# KiCad board k410t-devboard.kicad_pcb (continued)
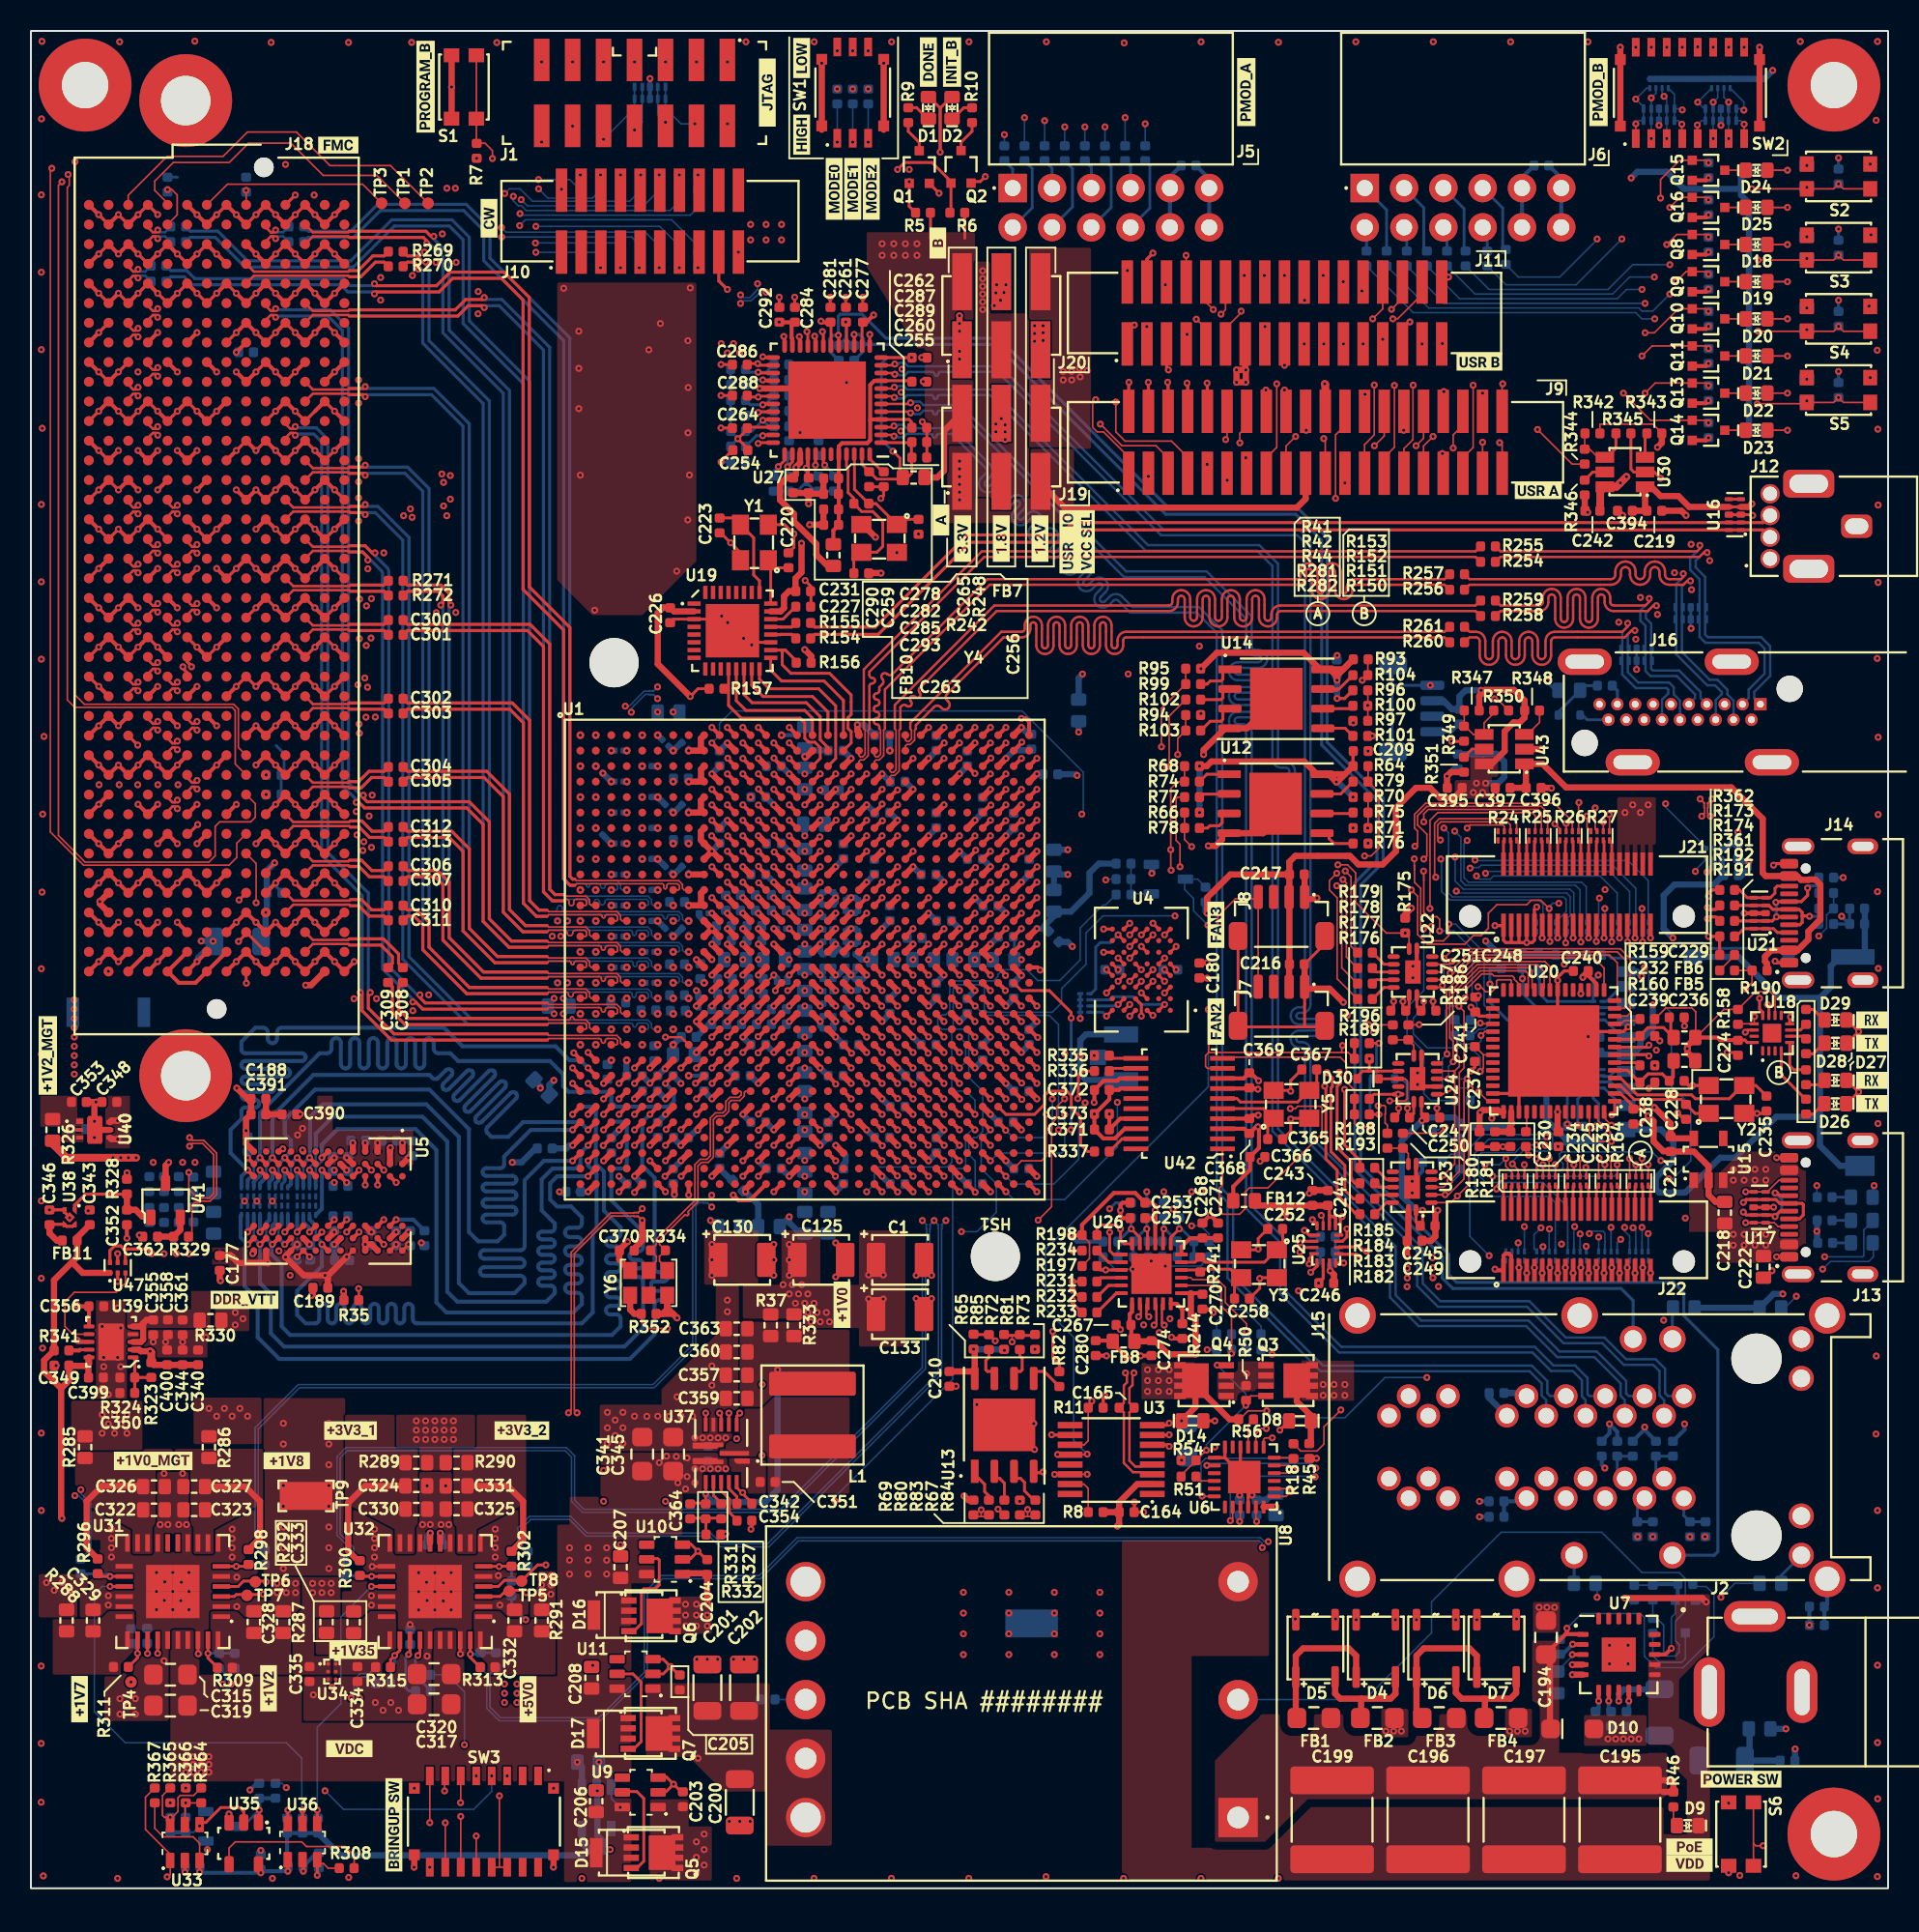
[diagram p0: board, top side]
## Nets (continued)
/DRAM + SRAM/SRAM.DQ6: U1.R28 U4.E5
/DRAM + SRAM/SRAM.DQ7: U1.R29 U4.F6
/DRAM + SRAM/SRAM.~{CE}: R36.3 U1.V27 U4.B5
/DRAM + SRAM/SRAM.~{OE}: R36.2 U1.P26 U4.A2
/DRAM + SRAM/SRAM.~{WE}: R36.1 U1.W22 U4.G5
/FMC+ HSPC/FMC.CLK_DIR: J18.B01 U1.J19
/FMC+ HSPC/FMC.IO0: J18.G33 U1.G12
/FMC+ HSPC/FMC.IO1_N: J18.G22 U1.K16
/FMC+ HSPC/FMC.IO1_P: J18.G21 U1.L16
/FMC+ HSPC/FMC.IO2_N: J18.G19 U1.K15
/FMC+ HSPC/FMC.IO2_P: J18.G18 U1.L15
/FMC+ HSPC/FMC.IO3_N: J18.H20 U1.L13
/FMC+ HSPC/FMC.IO3_P: J18.H19 U1.L12
/FMC+ HSPC/FMC.IO4_N: J18.H17 U1.J13
/FMC+ HSPC/FMC.IO4_P: J18.H16 U1.K13
/FMC+ HSPC/FMC.IO5_N: J18.J19 U1.J14
/FMC+ HSPC/FMC.IO5_P: J18.J18 U1.K14
/FMC+ HSPC/FMC.IO6_N: J18.G25 U1.K11
/FMC+ HSPC/FMC.IO6_P: J18.G24 U1.L11
/FMC+ HSPC/FMC.IO7_N: J18.H29 U1.G15
/FMC+ HSPC/FMC.IO7_P: J18.H28 U1.H15
/FMC+ HSPC/FMC.IO8_N: J18.G28 U1.J12
/FMC+ HSPC/FMC.IO8_P: J18.G27 U1.J11
/FMC+ HSPC/FMC.IO9_N: J18.G31 U1.H16
/FMC+ HSPC/FMC.IO9_P: J18.G30 U1.J16
/FMC+ HSPC/FMC.IO10_N: J18.H26 U1.H12
/FMC+ HSPC/FMC.IO10_P: J18.H25 U1.H11
/FMC+ HSPC/FMC.IO11_N: J18.K23 U1.G14
/FMC+ HSPC/FMC.IO11_P: J18.K22 U1.H14
/FMC+ HSPC/FMC.IO12_N: J18.J22 U1.F13
/FMC+ HSPC/FMC.IO12_P: J18.J21 U1.G13
/FMC+ HSPC/FMC.IO13_N: J18.K20 U1.D13
/FMC+ HSPC/FMC.IO13_P: J18.K19 U1.D12
/FMC+ HSPC/FMC.IO14_N: J18.J25 U1.E13
/FMC+ HSPC/FMC.IO14_P: J18.J24 U1.F12
/FMC+ HSPC/FMC.IO15_N: J18.J07 U1.B12
/FMC+ HSPC/FMC.IO15_P: J18.J06 U1.C12
/FMC+ HSPC/FMC.IO16_N: J18.K08 U1.E11
/FMC+ HSPC/FMC.IO16_P: J18.K07 U1.F11
/FMC+ HSPC/FMC.IO17_N: J18.K17 U1.A12
/FMC+ HSPC/FMC.IO17_P: J18.K16 U1.A11
/FMC+ HSPC/FMC.IO18_N: J18.J10 U1.C11
/FMC+ HSPC/FMC.IO18_P: J18.J09 U1.D11
/FMC+ HSPC/FMC.IO19_N: J18.H23 U1.E16
/FMC+ HSPC/FMC.IO19_P: J18.H22 U1.F15
/FMC+ HSPC/FMC.IO20_N: J18.K26 U1.E15
/FMC+ HSPC/FMC.IO20_P: J18.K25 U1.E14
/FMC+ HSPC/FMC.IO21_N: J18.K11 U1.C14
/FMC+ HSPC/FMC.IO21_P: J18.K10 U1.D14
/FMC+ HSPC/FMC.IO22_N: J18.H32 U1.A13
/FMC+ HSPC/FMC.IO22_P: J18.H31 U1.B13
/FMC+ HSPC/FMC.IO23_N: J18.J13 U1.B15
/FMC+ HSPC/FMC.IO23_P: J18.J12 U1.C15
/FMC+ HSPC/FMC.IO24_N: J18.J28 U1.A15
/FMC+ HSPC/FMC.IO24_P: J18.J27 U1.B14
/FMC+ HSPC/FMC.IO25: J18.K28 U1.F16
/FMC+ HSPC/FMC.PRSNT_M2C: J18.H02 R264.1 U1.H19
/FMC+ HSPC/FMC.~{PERST}: J18.D08 R265.1 U1.G19
/FMC+ HSPC/GTR_REFCLK0_R_N: J18.D05 R270.1
/FMC+ HSPC/GTR_REFCLK0_R_P: J18.D04 R269.1
/FMC+ HSPC/GTR_REFCLK1_R_N: J18.B21 R272.1
/FMC+ HSPC/GTR_REFCLK1_R_P: J18.B20 R271.1
/FMC+ HSPC/GTR_REFCLK2_R_N: J18.K05 R274.1
/FMC+ HSPC/GTR_REFCLK2_R_P: J18.K04 R273.1
/FMC+ HSPC/GTR_REFCLK3_R_N: J18.J03 R276.1
/FMC+ HSPC/GTR_REFCLK3_R_P: J18.J02 R275.1
/FMC+ HSPC/GTX115.REFCLK0_N: R270.2 U1.R7
/FMC+ HSPC/GTX115.REFCLK0_P: R269.2 U1.R8
/FMC+ HSPC/GTX115.REFCLK1_N: R272.2 U1.U7
/FMC+ HSPC/GTX115.REFCLK1_P: R271.2 U1.U8
/FMC+ HSPC/GTX115.RX0_N: J18.B13 U1.AA3
/FMC+ HSPC/GTX115.RX0_P: J18.B12 U1.AA4
/FMC+ HSPC/GTX115.RX1_N: J18.B17 U1.Y5
/FMC+ HSPC/GTX115.RX1_P: J18.B16 U1.Y6
/FMC+ HSPC/GTX115.RX2_N: J18.A19 U1.W3
/FMC+ HSPC/GTX115.RX2_P: J18.A18 U1.W4
/FMC+ HSPC/GTX115.RX3_N: J18.A15 U1.V5
/FMC+ HSPC/GTX115.RX3_P: J18.A14 U1.V6
/FMC+ HSPC/GTX115.TX0_N: C313.1 U1.T1
/FMC+ HSPC/GTX115.TX0_P: C312.1 U1.T2
/FMC+ HSPC/GTX115.TX1_N: C311.1 U1.V1
/FMC+ HSPC/GTX115.TX1_P: C310.1 U1.V2
/FMC+ HSPC/GTX115.TX2_N: C309.1 U1.Y1
/FMC+ HSPC/GTX115.TX2_P: C308.1 U1.Y2
/FMC+ HSPC/GTX115.TX3_N: C307.1 U1.U3
/FMC+ HSPC/GTX115.TX3_P: C306.1 U1.U4
/FMC+ HSPC/GTX116.REFCLK0_N: R274.2 U1.L7
/FMC+ HSPC/GTX116.REFCLK0_P: R273.2 U1.L8
/FMC+ HSPC/GTX116.REFCLK1_N: R276.2 U1.N7
/FMC+ HSPC/GTX116.REFCLK1_P: R275.2 U1.N8
/FMC+ HSPC/GTX116.RX0_N: J18.A11 U1.T5
/FMC+ HSPC/GTX116.RX0_P: J18.A10 U1.T6
/FMC+ HSPC/GTX116.RX1_N: J18.A07 U1.M5
/FMC+ HSPC/GTX116.RX1_P: J18.A06 U1.M6
/FMC+ HSPC/GTX116.RX2_N: J18.A03 U1.P5
/FMC+ HSPC/GTX116.RX2_P: J18.A02 U1.P6
/FMC+ HSPC/GTX116.RX3_N: J18.C07 U1.R3
/FMC+ HSPC/GTX116.RX3_P: J18.C06 U1.R4
/FMC+ HSPC/GTX116.TX0_N: C305.1 U1.P1
/FMC+ HSPC/GTX116.TX0_P: C304.1 U1.P2
/FMC+ HSPC/GTX116.TX1_N: C303.1 U1.N3
/FMC+ HSPC/GTX116.TX1_P: C302.1 U1.N4
/FMC+ HSPC/GTX116.TX2_N: C301.1 U1.M1
/FMC+ HSPC/GTX116.TX2_P: C300.1 U1.M2
/FMC+ HSPC/GTX116.TX3_N: C299.1 U1.L3
/FMC+ HSPC/GTX116.TX3_P: C298.1 U1.L4
/FMC+ HSPC/GTX_TX0_C_N: C299.2 J18.C03
/FMC+ HSPC/GTX_TX0_C_P: C298.2 J18.C02
/FMC+ HSPC/GTX_TX1_C_N: C301.2 J18.A23
/FMC+ HSPC/GTX_TX1_C_P: C300.2 J18.A22
/FMC+ HSPC/GTX_TX2_C_N: C303.2 J18.A27
/FMC+ HSPC/GTX_TX2_C_P: C302.2 J18.A26
/FMC+ HSPC/GTX_TX3_C_N: C305.2 J18.A31
/FMC+ HSPC/GTX_TX3_C_P: C304.2 J18.A30
/FMC+ HSPC/GTX_TX4_C_N: C307.2 J18.A35
/FMC+ HSPC/GTX_TX4_C_P: C306.2 J18.A34
/FMC+ HSPC/GTX_TX5_C_N: C309.2 J18.A39
/FMC+ HSPC/GTX_TX5_C_P: C308.2 J18.A38
/FMC+ HSPC/GTX_TX6_C_N: C311.2 J18.B37
/FMC+ HSPC/GTX_TX6_C_P: C310.2 J18.B36
/FMC+ HSPC/GTX_TX7_C_N: C313.2 J18.B33
/FMC+ HSPC/GTX_TX7_C_P: C312.2 J18.B32
/FPGA Bank 12 & 13/CW_HEADER.HS1: R142.1 U1.AG25
/FPGA Bank 12 & 13/CW_HEADER.HS2: R143.1 U1.AF22
/FPGA Bank 12 & 13/CW_HEADER.IO1: R144.1 U1.AJ21
/FPGA Bank 12 & 13/CW_HEADER.IO2: R145.1 U1.AH22
/FPGA Bank 12 & 13/CW_HEADER.IO3: R146.1 U1.AH20
/FPGA Bank 12 & 13/CW_HEADER.IO4: R147.1 U1.AG22
/FPGA Bank 12 & 13/CW_HEADER.MISO: R135.2 U1.AF21
/FPGA Bank 12 & 13/CW_HEADER.MOSI: R136.2 U1.AK21
/FPGA Bank 12 & 13/CW_HEADER.RST: R134.2 U1.AE20
/FPGA Bank 12 & 13/CW_HEADER.TPDIC: R138.2 U1.AF20
/FPGA Bank 12 & 13/CW_HEADER.TPDID: R139.2 U1.AG20
/FPGA Bank 12 & 13/CW_HEADER.TSCK: R137.2 U1.AK20
/FPGA Bank 12 & 13/FAN_PWM_CTRL: R105.1 U1.AE26
/FPGA Bank 12 & 13/PMOD_A.IO1: R120.1 U1.AK28
/FPGA Bank 12 & 13/PMOD_A.IO2: R121.1 U1.W27
/FPGA Bank 12 & 13/PMOD_A.IO3: R122.1 U1.AF28
/FPGA Bank 12 & 13/PMOD_A.IO4: R123.1 U1.AJ28
/FPGA Bank 12 & 13/PMOD_A.IO7: R112.2 U1.AA25
/FPGA Bank 12 & 13/PMOD_A.IO8: R113.2 U1.W29
/FPGA Bank 12 & 13/PMOD_A.IO9: R114.2 U1.AD27
/FPGA Bank 12 & 13/PMOD_A.IO10: R115.2 U1.AJ29
/FPGA Bank 12 & 13/PMOD_B.IO1: R124.1 U1.AB30
/FPGA Bank 12 & 13/PMOD_B.IO2: R125.1 U1.AB29
/FPGA Bank 12 & 13/PMOD_B.IO3: R126.1 U1.AC29
/FPGA Bank 12 & 13/PMOD_B.IO4: R127.1 U1.W28
/FPGA Bank 12 & 13/PMOD_B.IO7: R116.2 U1.AD28
/FPGA Bank 12 & 13/PMOD_B.IO8: R117.2 U1.AA27
/FPGA Bank 12 & 13/PMOD_B.IO9: R118.2 U1.AC30
/FPGA Bank 12 & 13/PMOD_B.IO10: R119.2 U1.AB25
/FPGA Bank 12 & 13/UART0.RX: NT16.2 R161.2
/FPGA Bank 12 & 13/UART0.TX: NT18.2 R162.2
/FPGA Bank 12 & 13/UART1.RX: NT15.2 R163.2
/FPGA Bank 12 & 13/UART1.TX: NT17.2 R164.2
/FPGA Bank 12 & 13/USB_HOST.CLK: U1.A16 U19.13
/FPGA Bank 12 & 13/USB_HOST.GPX: U1.A18 U19.17
/FPGA Bank 12 & 13/USB_HOST.INT: R156.1 U1.B18 U19.18
/FPGA Bank 12 & 13/USB_HOST.MISO: U1.A17 U19.15
/FPGA Bank 12 & 13/USB_HOST.MOSI: U1.C17 U19.16
/FPGA Bank 12 & 13/USB_HOST.VBUS_PEN: R344.1 U1.AG27
/FPGA Bank 12 & 13/USB_HOST.~{CS}: U1.B17 U19.14
/FPGA Bank 12 & 13/USB_HOST.~{RESET}: R157.1 U1.C16 U19.12
/FPGA Bank 12 & 13/USB_USER.RCV: U1.AB15 U25.2
/FPGA Bank 12 & 13/USB_USER.SCON: U1.AG15 U25.16
/FPGA Bank 12 & 13/USB_USER.SPD: U1.AF16 U25.8
/FPGA Bank 12 & 13/USB_USER.SUS: R195.1 U1.AH15 U25.5
/FPGA Bank 12 & 13/USB_USER.VBUS_PEN: R349.1 U1.AD29
/FPGA Bank 12 & 13/USB_USER.VDET: R190.1 R191.2 U1.AK26
/FPGA Bank 12 & 13/USB_USER.VM: U1.Y14 U25.4
/FPGA Bank 12 & 13/USB_USER.VMO: U1.AJ17 U25.12
/FPGA Bank 12 & 13/USB_USER.VP: U1.AA15 U25.3
/FPGA Bank 12 & 13/USB_USER.VPO: U1.AH17 U25.11
/FPGA Bank 12 & 13/USB_USER.~{OE}: R194.1 U1.AG14 U25.1
/FPGA Bank 12 & 13/~{PB_CTRL_CLR}: R365.1 U1.AF26
/FPGA Bank 12 & 13/~{PB_CTRL_INT}: R366.1 U1.AF27
/FPGA Bank 14 & 15/CFG_PUDC: R338.2 U1.R23
/FPGA Bank 14 & 15/SYSTEM_FLASH.CLK: NT19.2 R70.1 R71.2 R75.1 U1.B10
/FPGA Bank 14 & 15/SYSTEM_FLASH.DQ0: NT13.1 R76.1 U1.P24
/FPGA Bank 14 & 15/SYSTEM_FLASH.DQ1: NT14.1 R77.1 U1.R25
/FPGA Bank 14 & 15/SYSTEM_FLASH.DQ2: R66.1 R78.1 U1.R19
/FPGA Bank 14 & 15/SYSTEM_FLASH.DQ3: R64.1 R79.1 U1.R24
/FPGA Bank 14 & 15/SYSTEM_FLASH.~{CS}: NT20.1 R68.1 R74.1 U1.U19
/FPGA Bank 16 & 17/GBE_RGMII.GTR_CLK: R203.1 R213.1 U1.D17 U27.35
/FPGA Bank 16 & 17/GBE_RGMII.GTX_CLK: U1.H20 U27.24
/FPGA Bank 16 & 17/GBE_RGMII.MDC: U1.F17 U27.36
/FPGA Bank 16 & 17/GBE_RGMII.MDIO: R240.2 U1.D18 U27.37
/FPGA Bank 16 & 17/GBE_RGMII.REFCLK: R208.1 R218.1 U1.G18 U27.41
/FPGA Bank 16 & 17/GBE_RGMII.RX_DV: R207.1 R217.1 U1.E18 U27.33
/FPGA Bank 16 & 17/GBE_RGMII.RXD0: R202.1 R212.1 U1.G17 U27.32
/FPGA Bank 16 & 17/GBE_RGMII.RXD1: R201.1 R211.1 U1.D16 U27.31
/FPGA Bank 16 & 17/GBE_RGMII.RXD2: R200.1 R210.1 U1.F20 U27.28
/FPGA Bank 16 & 17/GBE_RGMII.RXD3: R199.1 R209.1 U1.E20 U27.27
/FPGA Bank 16 & 17/GBE_RGMII.TX_EN: U1.G20 U27.25
/FPGA Bank 16 & 17/GBE_RGMII.TXD0: U1.C22 U27.19
/FPGA Bank 16 & 17/GBE_RGMII.TXD1: U1.H21 U27.20
/FPGA Bank 16 & 17/GBE_RGMII.TXD2: U1.F21 U27.21
/FPGA Bank 16 & 17/GBE_RGMII.TXD3: U1.E21 U27.22
/FPGA Bank 16 & 17/GBE_RGMII.~{INT}: R206.1 R216.1 U1.F18 U27.38
/FPGA Bank 16 & 17/GBE_RGMII.~{RESET}: R239.2 U1.D19 U27.42
/FPGA Bank 16 & 17/HDMI.CLK_N: R261.1 U1.A22
/FPGA Bank 16 & 17/HDMI.CLK_P: R260.1 U1.B22
/FPGA Bank 16 & 17/HDMI.D0_N: R259.1 U1.C21
/FPGA Bank 16 & 17/HDMI.D0_P: R258.1 U1.D21
/FPGA Bank 16 & 17/HDMI.D1_N: R257.1 U1.B20
/FPGA Bank 16 & 17/HDMI.D1_P: R256.1 U1.C20
/FPGA Bank 16 & 17/HDMI.D2_N: R255.1 U1.B19
/FPGA Bank 16 & 17/HDMI.D2_P: R254.1 U1.C19
/FPGA Bank 16 & 17/USR_FLASH_1.CLK: R96.1 R97.2 R100.1 U1.C30
/FPGA Bank 16 & 17/USR_FLASH_1.DQ0: R101.1 U1.E28
/FPGA Bank 16 & 17/USR_FLASH_1.DQ1: R102.1 U1.H27
/FPGA Bank 16 & 17/USR_FLASH_1.DQ2: R94.1 R103.1 U1.H26
/FPGA Bank 16 & 17/USR_FLASH_1.DQ3: R93.1 R104.1 U1.B29
/FPGA Bank 16 & 17/USR_FLASH_1.~{CS}: R95.1 R99.1 U1.C29
/FPGA Bank 18 & 32/ETH_RMII.MDC: U1.AB18 U26.13
/FPGA Bank 18 & 32/ETH_RMII.MDIO: R198.2 U1.AA18 U26.12
/FPGA Bank 18 & 32/ETH_RMII.REFCLK: R234.1 U1.AC17
/FPGA Bank 18 & 32/ETH_RMII.RX_DV: R235.1 U1.AF18
/FPGA Bank 18 & 32/ETH_RMII.RXD0: R236.1 U1.AC19
/FPGA Bank 18 & 32/ETH_RMII.RXD1: R237.1 U1.AE18
/FPGA Bank 18 & 32/ETH_RMII.RXER: R238.1 U1.Y19
/FPGA Bank 18 & 32/ETH_RMII.TXD0: R232.1 U1.AC15
/FPGA Bank 18 & 32/ETH_RMII.TXD1: R233.1 U1.AD14
/FPGA Bank 18 & 32/ETH_RMII.TXEN: R231.1 U1.AA16
/FPGA Bank 18 & 32/ETH_RMII.~{RESET}: R197.2 U1.AD18 U26.15
/FPGA Bank 33 & 34/DDR_VRN: R339.2 U1.AC6
/FPGA Bank 33 & 34/DDR_VRP: R340.1 U1.AB7
/FPGA Bank 33 & 34/SD_CARD.CLK: R63.1 R89.1 U1.AC11
/FPGA Bank 33 & 34/SD_CARD.CMD: R61.3 R88.1 U1.AC10
/FPGA Bank 33 & 34/SD_CARD.DAT0: R63.3 R90.1 U1.AK14
/FPGA Bank 33 & 34/SD_CARD.DAT1: R63.4 R91.1 U1.AF11
/FPGA Bank 33 & 34/SD_CARD.DAT2: R61.1 R86.1 U1.AE9
/FPGA Bank 33 & 34/SD_CARD.DAT3: R61.2 R87.1 U1.AB10
/FPGA Bank 33 & 34/SD_CARD.~{CD}: R92.1 R98.2 U1.AE13
/FPGA Bank 33 & 34/USR_FLASH_0.CLK: R72.1 R73.2 R81.1 U1.AJ12
/FPGA Bank 33 & 34/USR_FLASH_0.DQ0: R82.1 U1.AJ13
/FPGA Bank 33 & 34/USR_FLASH_0.DQ1: R83.1 U1.AK13
/FPGA Bank 33 & 34/USR_FLASH_0.DQ2: R67.1 R84.1 U1.AH12
/FPGA Bank 33 & 34/USR_FLASH_0.DQ3: R65.1 R85.1 U1.AG13
/FPGA Bank 33 & 34/USR_FLASH_0.~{CS}: R69.1 R80.1 U1.AF13
/FPGA Config/DONE: NT6.2 Q1.1 R5.1 U1.M10
/FPGA Config/FPGA_CFG_DXN: C165.1 U1.U14 U3.4
/FPGA Config/FPGA_CFG_DXP: C165.2 U1.U15 U3.3
/FPGA Config/INIT_B: NT7.2 Q2.1 R6.1 U1.A10
/FPGA Config/JTAG.RST: J1.12 J18.D34 U48.4
/FPGA Config/JTAG.TCK: J1.6 J18.D29 R176.2 U1.E10 U2.2 U2.9
/FPGA Config/JTAG.TDI: J1.10 J18.D30 R178.2 U1.H10 U2.5 U2.6
/FPGA Config/JTAG.TDO: J1.8 J18.D31 R179.2 U1.G10 U2.4 U2.7
/FPGA Config/JTAG.TMS: J1.4 J18.D33 R177.2 U1.F10 U2.1 U2.10
/FPGA Config/MODE0: NT3.2 R4.1 SW1.1 U1.AB5
/FPGA Config/MODE1: NT4.2 R3.2 SW1.2 U1.AB2
/FPGA Config/MODE2: NT5.2 R2.1 SW1.3 U1.AB1
/FPGA Config/PROGRAM_B: NT8.2 R7.1 S1.1 S1.2 U1.K10
/FPGA Config/TEMP_~{ALERT}: NT21.2 R11.1 U3.11
/FPGA supply/MGTRREF: R1.1 U1.W8
/HDMI + Ethernet/ETH1_N: C275.2 J15.1_1 R247.1 U26.20
/HDMI + Ethernet/ETH1_P: C273.2 J15.2_1 R245.1 U26.21
/HDMI + Ethernet/ETH2_N: C279.2 J15.3_1 R250.1 U26.22
/HDMI + Ethernet/ETH2_P: C276.2 J15.4_1 R249.1 U26.23
/HDMI + Ethernet/ETH_3V3: C267.2 C270.2 C274.2 C283.2 FB8.1 R243.2 R245.2 R247.2 R249.2 R250.2 U26.1 U26.19
/HDMI + Ethernet/ETH_CONN_SH: C272.2 J15.SH R246.2
/HDMI + Ethernet/ETH_ISET: R244.2 U26.24
/HDMI + Ethernet/ETH_LED_LINK+: J15.15_1 R251.1
/HDMI + Ethernet/ETH_LED_LINK-: J15.16_1 R223.1 R229.1 U26.3
/HDMI + Ethernet/ETH_LED_SPD+: J15.18_1 R252.1
/HDMI + Ethernet/ETH_LED_SPD-: J15.17_1 R224.1 R230.1 U26.2
/HDMI + Ethernet/ETH_PHY_REFCLK: R234.2 U26.14
/HDMI + Ethernet/ETH_PHY_RX_DV: R219.1 R225.1 R235.2 U26.11
/HDMI + Ethernet/ETH_PHY_RXD1: R220.1 R226.1 R237.2 U26.7
/HDMI + Ethernet/ETH_PHY_RXDO: R221.1 R227.1 R236.2 U26.8
/HDMI + Ethernet/ETH_PHY_RXER: R222.1 R228.1 R238.2 U26.10
/HDMI + Ethernet/ETH_PHY_TXD1: R233.2 U26.18
/HDMI + Ethernet/ETH_PHY_TXDO: R232.2 U26.17
/HDMI + Ethernet/ETH_PHY_TXEN: R231.2 U26.16
/HDMI + Ethernet/ETH_VDDCR: C268.1 C271.1 U26.6
/HDMI + Ethernet/ETH_XI: C252.2 R241.2 U26.5 Y3.1
/HDMI + Ethernet/ETH_XO: C258.2 R241.1 U26.4 Y3.3
/HDMI + Ethernet/GBE1_N: J15.7_2 U27.3
/HDMI + Ethernet/GBE1_P: J15.8_2 U27.2
/HDMI + Ethernet/GBE2_N: J15.5_2 U27.6
/HDMI + Ethernet/GBE2_P: J15.6_2 U27.5
/HDMI + Ethernet/GBE3_N: J15.3_2 U27.8
/HDMI + Ethernet/GBE3_P: J15.4_2 U27.7
/HDMI + Ethernet/GBE4_N: J15.1_2 U27.11
/HDMI + Ethernet/GBE4_P: J15.2_2 U27.10
/HDMI + Ethernet/GBE_AVDDH: C255.2 C260.2 C262.2 C265.2 FB7.2 U27.1 U27.12 U27.47
/HDMI + Ethernet/GBE_AVDDL/PLL: C278.2 C282.2 C285.2 C287.2 C289.2 C293.2 FB10.2 U27.4 U27.9 U27.44
/HDMI + Ethernet/GBE_CONN_COMM: C291.2 J15.9_2
/HDMI + Ethernet/GBE_ISET: R248.2 U27.48
/HDMI + Ethernet/GBE_LED_LINK+: J15.15_2 R262.1
/HDMI + Ethernet/GBE_LED_LINK-: J15.16_2 R205.1 R215.1 U27.17
/HDMI + Ethernet/GBE_LED_SPD+: J15.18_2 R263.1
/HDMI + Ethernet/GBE_LED_SPD-: J15.17_2 R204.1 R214.1 U27.15
/HDMI + Ethernet/GBE_XI: C256.2 R242.2 U27.46 Y4.1
/HDMI + Ethernet/GBE_XO: C263.2 R242.1 U27.45 Y4.3
/HDMI + Ethernet/HDMI_5V: C398.2 D31.2 FB9.2
/HDMI + Ethernet/HDMI_CONN_5V: D31.1 J16.18
/HDMI + Ethernet/HDMI_CONN_CLK_N: J16.12 R261.2 U29.5 U29.6
/HDMI + Ethernet/HDMI_CONN_CLK_P: J16.10 R260.2 U29.4 U29.7
/HDMI + Ethernet/HDMI_CONN_D0_N: J16.9 R259.2 U29.2 U29.9
/HDMI + Ethernet/HDMI_CONN_D0_P: J16.7 R258.2 U29.1 U29.10
/HDMI + Ethernet/HDMI_CONN_D1_N: J16.6 R257.2 U28.5 U28.6
/HDMI + Ethernet/HDMI_CONN_D1_P: J16.4 R256.2 U28.4 U28.7
/HDMI + Ethernet/HDMI_CONN_D2_N: J16.3 R255.2 U28.2 U28.9
/HDMI + Ethernet/HDMI_CONN_D2_P: J16.1 R254.2 U28.1 U28.10
/HDMI + Ethernet/POE_ETH.VC1: D6.4 J15.14_1
/HDMI + Ethernet/POE_ETH.VC2: D6.3 J15.11_1
/HDMI + Ethernet/POE_ETH.VC3: D7.3 J15.12_1
/HDMI + Ethernet/POE_ETH.VC4: D7.4 J15.13_1
/HDMI + Ethernet/POE_GBE.VC1: D4.4 J15.14_2
/HDMI + Ethernet/POE_GBE.VC2: D4.3 J15.11_2
/HDMI + Ethernet/POE_GBE.VC3: D5.3 J15.12_2
/HDMI + Ethernet/POE_GBE.VC4: D5.4 J15.13_2
/I2C.QDCDC1_SCL: SW3.4 TP6.1 U31.4
/I2C.QDCDC2_SCL: SW3.3 TP8.1 U32.4
/I2C.SCL: NT23.1 R188.2 R193.2 SW3.13 SW3.14 U3.14 U6.7 U37.3 U42.10
/I2C.SDA: NT22.1 R189.1 R196.2 TP5.1 TP7.1 U3.12 U6.8 U31.3 U32.3 U37.4 U42.9
/PLL.CLK0: J3.1 R335.2
/PLL.CLK1: R337.2 U1.AE28
/PLL.CLK2: R336.2 U1.AB27
/Power supply/AMPS_CTL: R47.2 U7.8
/Power supply/CLSA: R52.2 U7.3
/Power supply/CLSB: R53.2 U7.6
/Power supply/DC_IN: C190.2 C203.2 D3.1 D15.2 F1.2 Q5.5 U9.1
/Power supply/DEN: R55.1 U7.2
/Power supply/MPS_DUTY: R49.2 U7.9
/Power supply/PD_CTRL.RESET: R18.2 U6.6
/Power supply/PD_PWR_OK2: D11.1 U6.20
/Power supply/PD_PWR_OK3: D12.1 U6.14
/Power supply/PD_VBUS: C191.1 Q3.1 Q3.2 Q3.3 Q4.1 Q4.2 Q4.3 R50.2 U6.24
/Power supply/PDBUS_DISCH: R56.2 U6.9
/Power supply/PG: Q18.1 R38.1 R39.1 R167.2 U7.13
/Power supply/POE_ACTIVE: R39.2 R60.2 U8.2
/Power supply/REF: R48.2 U7.7
/Power supply/SINK_EN: Q3.4 Q4.4 R50.1 R51.2 R54.1
/Power supply/USB_DBG_PD.CC1: J13.A5 U6.1 U6.2 U17.1 U17.10
/Power supply/USB_DBG_PD.CC2: J13.B5 U6.4 U6.5 U17.5 U17.6
/Power supply/USB_DBG_PD.VBUS: C218.2 C222.2 D8.1 J13.A4 J13.A9 J13.B4 J13.B9 Q3.5 R45.2 U15.1 U15.3
/Power supply/USB_PD_VBUS: C198.1 C204.2 D14.1 D16.2 Q4.5 Q6.5 R56.1 R57.1 U10.1
/Power supply/VREG_1V2: C192.1 U6.21
/Power supply/VREG_2V7: C193.1 U6.23
/SPI Flash + SD Card/SD_CARD_~{CD}: J23.10 R98.1
/SPI Flash + SD Card/SYSTEM_FLASH_CLK: R75.2 U12.6
/SPI Flash + SD Card/SYSTEM_FLASH_DQ0: R76.2 U12.5
/SPI Flash + SD Card/SYSTEM_FLASH_DQ1: R77.2 U12.2
/SPI Flash + SD Card/SYSTEM_FLASH_DQ2: R78.2 U12.3
/SPI Flash + SD Card/SYSTEM_FLASH_DQ3: R79.2 U12.7
/SPI Flash + SD Card/SYSTEM_FLASH_~{CS}: R74.2 U12.1
/SPI Flash + SD Card/USR_FLASH_0_CLK: R81.2 U13.6
/SPI Flash + SD Card/USR_FLASH_0_DQ0: R82.2 U13.5
/SPI Flash + SD Card/USR_FLASH_0_DQ1: R83.2 U13.2
/SPI Flash + SD Card/USR_FLASH_0_DQ2: R84.2 U13.3
/SPI Flash + SD Card/USR_FLASH_0_DQ3: R85.2 U13.7
/SPI Flash + SD Card/USR_FLASH_0_~{CS}: R80.2 U13.1
/SPI Flash + SD Card/USR_FLASH_1_CLK: R100.2 U14.6
/SPI Flash + SD Card/USR_FLASH_1_DQ0: R101.2 U14.5
/SPI Flash + SD Card/USR_FLASH_1_DQ1: R102.2 U14.2
/SPI Flash + SD Card/USR_FLASH_1_DQ2: R103.2 U14.3
/SPI Flash + SD Card/USR_FLASH_1_DQ3: R104.2 U14.7
/SPI Flash + SD Card/USR_FLASH_1_~{CS}: R99.2 U14.1
/SUP_MCU.A0: R20.2 U1.AD24
/SUP_MCU.A1: R21.1 U1.AJ22
/SUP_MCU.A2: R22.4 U1.AH21
/SUP_MCU.A3: R23.2 U1.AJ23
/SUP_MCU.A4: R23.4 U1.AF23
/SUP_MCU.A5: R23.1 U1.AH24
/SUP_MCU.A6: R24.5 U1.AF25
/SUP_MCU.A7: R21.2 U1.AE25
/SUP_MCU.A8: R31.3 U1.AC24
/SUP_MCU.A9: R282.6 U1.AC25
/SUP_MCU.A10: R26.5 U1.AC22
/SUP_MCU.A11: R26.6 U1.AB22
/SUP_MCU.A12: R26.7 U1.AK25
/SUP_MCU.A13: R20.4 U1.Y21
/SUP_MCU.A14: R25.6 U1.Y23
/SUP_MCU.A15: R24.7 U1.Y24
/SUP_MCU.A16: R21.3 U1.Y20
/SUP_MCU.A17: R24.6 U1.AA20
/SUP_MCU.A18: R21.4 U1.AB20
/SUP_MCU.A19: R25.7 U1.AJ24
/SUP_MCU.ALE: R282.8 U1.AD21
/SUP_MCU.CCLK: NT19.1 R22.2
/SUP_MCU.CE: R29.3 U1.AE23
/SUP_MCU.CFG_CS: NT20.2 R44.7
/SUP_MCU.CLKO: R25.5 U1.AD23
/SUP_MCU.D0: R28.3 U1.AA21
/SUP_MCU.D1: R41.8 U1.AA22
/SUP_MCU.D2: R33.4 U1.AH25
/SUP_MCU.D3: R28.4 U1.AB23
/SUP_MCU.D4: R41.7 U1.AA23
/SUP_MCU.D5: R41.6 U1.AC21
/SUP_MCU.D6: R29.1 U1.AC20
/SUP_MCU.D7: R29.2 U1.AE21
/SUP_MCU.DONE: NT6.1 R30.1
/SUP_MCU.FAN_PWM: R19.1 R26.8
/SUP_MCU.FPGA_M0: NT3.1 R42.7
/SUP_MCU.FPGA_M1: NT4.1 R44.8
/SUP_MCU.FPGA_M2: NT5.1 R31.2
/SUP_MCU.FPGA_MISO: NT13.2 R30.3
/SUP_MCU.FPGA_MOSI: NT14.2 R281.6
/SUP_MCU.INITB: NT7.1 R29.4
/SUP_MCU.MISO: NT9.2 R33.1
/SUP_MCU.MOSI: NT10.2 R31.4
/SUP_MCU.PD_RST: R18.1 R281.7
/SUP_MCU.PG_1V2: R27.5 R31.1 TP4.1 U31.26
/SUP_MCU.PG_3V3: R280.1 R282.7 U42.1
/SUP_MCU.PG_VCCINT: R281.8 U37.7
/SUP_MCU.PROGRAMB: NT8.1 R30.2
/SUP_MCU.RD: R282.5 U1.AG24
/SUP_MCU.RX0: NT18.1 R27.6 U1.AK23
/SUP_MCU.RX1: NT17.1 R20.3 U1.AG23
/SUP_MCU.SCL: NT23.2 R41.5
/SUP_MCU.SCLK0: NT11.2 R33.3
/SUP_MCU.SCLK1: R44.6 U1.R20
/SUP_MCU.SDA: NT22.2 R23.3
/SUP_MCU.SPARE0: R30.4 U1.AK30
/SUP_MCU.SPARE1: R42.5 U1.V26
/SUP_MCU.SPARE2: R42.6 U1.U29
/SUP_MCU.SPARE3: R44.5 U1.T20
/SUP_MCU.SW_STATE: NT39.2 R22.1 R294.1 R364.2 U33.6
/SUP_MCU.TEMP_ALERT_N: NT21.1 R42.8
/SUP_MCU.TX0: NT16.1 R27.8 U1.AE24
/SUP_MCU.TX1: NT15.1 R27.7 U1.AD22
/SUP_MCU.WR: R281.5 U1.AB24
/SUP_MCU.~{SCS}: NT12.2 R33.2
/Supervisior MCU/CFG_DONE: J22.17 R30.8
/Supervisior MCU/CFG_INITB: J22.15 R29.5
/Supervisior MCU/CFG_PROGRAMB: J22.19 R30.7
/Supervisior MCU/FAN_PWM: J21.16 R26.1
/Supervisior MCU/FPGA_CFG_CS: J22.20 R44.2
/Supervisior MCU/FPGA_CIPO: J22.21 R30.6
/Supervisior MCU/FPGA_COPI: J22.30 R281.3
/Supervisior MCU/FPGA_M0: J22.12 R42.2
/Supervisior MCU/FPGA_M1: J22.18 R44.1
/Supervisior MCU/FPGA_M2: J22.27 R31.7
/Supervisior MCU/PGOOD_1V2: J22.25 R31.8
/Supervisior MCU/PGOOD_1V8: J21.30 R27.4
/Supervisior MCU/PGOOD_3V3: J22.36 R282.2
/Supervisior MCU/PGOOD_VCCINT: J22.26 R281.1
/Supervisior MCU/PWR_ON: J21.8 R25.1
/Supervisior MCU/PWR_RST: J21.29 R22.6
/Supervisior MCU/RXD0: J21.28 R27.3
/Supervisior MCU/RXD1: J21.13 R20.6
/Supervisior MCU/SAM_FPGA_CCLK: J21.27 R22.7
/Supervisior MCU/SCL0: J22.8 R41.4
/Supervisior MCU/SDA0: J21.37 R23.6
/Supervisior MCU/SW_STATE: J21.25 R22.8
/Supervisior MCU/TEMP_ALERT_N: J22.10 R42.1
/Supervisior MCU/TXD0: J21.24 R27.1
/Supervisior MCU/TXD1: J21.26 R27.2
/Supervisior MCU/USB_A0: J21.11 R20.7
/Supervisior MCU/USB_A1: J21.17 R21.8
/Supervisior MCU/USB_A2: J21.31 R22.5
/Supervisior MCU/USB_A3: J21.35 R23.7
/Supervisior MCU/USB_A4: J21.39 R23.5
/Supervisior MCU/USB_A5: J21.33 R23.8
/Supervisior MCU/USB_A6: J21.6 R24.4
/Supervisior MCU/USB_A7: J21.19 R21.7
/Supervisior MCU/USB_A8: J22.29 R31.6
/Supervisior MCU/USB_A9: J22.38 R282.3
/Supervisior MCU/USB_A10: J21.22 R26.4
/Supervisior MCU/USB_A11: J21.20 R26.3
/Supervisior MCU/USB_A12: J21.18 R26.2
/Supervisior MCU/USB_A13: J21.15 R20.5
/Supervisior MCU/USB_A14: J21.12 R25.3
/Supervisior MCU/USB_A15: J21.2 R24.2
/Supervisior MCU/USB_A16: J21.21 R21.6
/Supervisior MCU/USB_A17: J21.4 R24.3
/Supervisior MCU/USB_A18: J21.23 R21.5
/Supervisior MCU/USB_A19: J21.10 R25.2
/Supervisior MCU/USB_ALE: J22.34 R282.1
/Supervisior MCU/USB_C_PD_RST: J22.28 R281.2
/Supervisior MCU/USB_CE: J22.13 R29.6
/Supervisior MCU/USB_CLK0: J21.14 R25.4
/Supervisior MCU/USB_CLK1_SPARE: J22.22 R44.3
/Supervisior MCU/USB_D0: J22.5 R28.6
/Supervisior MCU/USB_D1: J22.2 R41.1
/Supervisior MCU/USB_D2: J22.39 R33.5
/Supervisior MCU/USB_D3: J22.7 R28.5
/Supervisior MCU/USB_D4: J22.4 R41.2
/Supervisior MCU/USB_D5: J22.6 R41.3
/Supervisior MCU/USB_D6: J22.9 R29.8
/Supervisior MCU/USB_D7: J22.11 R29.7
/Supervisior MCU/USB_RD: J22.40 R282.4
/Supervisior MCU/USB_SPARE0: J22.23 R30.5
/Supervisior MCU/USB_SPARE1: J22.16 R42.4
/Supervisior MCU/USB_SPARE2: J22.14 R42.3
/Supervisior MCU/USB_SPARE3: J22.24 R44.4
/Supervisior MCU/USB_SPI_CIPO: J22.33 R33.8
/Supervisior MCU/USB_SPI_COPI: J22.31 R31.5
/Supervisior MCU/USB_SPI_CS: J22.35 R33.7
/Supervisior MCU/USB_SPI_SCK: J22.37 R33.6
/Supervisior MCU/USB_WR: J22.32 R281.4
/USB PHY/BDBUS0: SW3.5 U20.22 U23.2 U24.2
/USB PHY/BDBUS1: SW3.6 U20.23 U23.3 U24.4
/USB PHY/BDBUS2: SW3.7 U20.24 U23.5 U24.5
/USB PHY/BDBUS3: R165.2 R186.2 U20.25 U23.4
/USB PHY/FTDI_3V3: C221.2 C224.2 C225.2 C230.2 C233.2 C237.2 C240.2 C245.2 C247.2 C248.2 C401.2 FB5.1 FB6.1 R158.1 R159.2 R166.2 U15.5 U18.10 U18.16 U20.16 U20.36 U20.44 U20.50 U22.1 U23.1 U24.1 U48.1 U48.5
/USB PHY/FTDI_EECLK: U18.11 U20.56
/USB PHY/FTDI_EECS: U18.12 U20.1
/USB PHY/FTDI_EEDAT: U18.14 U20.55
/USB PHY/FTDI_JTAG_RST: U20.18 U48.3
/USB PHY/FTDI_JTAG_TCK: U20.12 U22.2
/USB PHY/FTDI_JTAG_TDI: U20.13 U22.4
/USB PHY/FTDI_JTAG_TDO: U20.14 U22.5
/USB PHY/FTDI_JTAG_TMS: U20.15 U22.3
/USB PHY/FTDI_PWREN: R158.2 U18.13 U20.54
/USB PHY/FTDI_REF: R160.2 U20.6
/USB PHY/FTDI_RST: R159.1 U20.11
/USB PHY/FTDI_SCL: R188.1 SW3.12 U24.13
/USB PHY/FTDI_SDA_IN: D30.2 R189.2 SW3.10 U24.10
/USB PHY/FTDI_SDA_OUT: D30.1 SW3.11 U24.11
/USB PHY/FTDI_UART0_RX: R162.1 U20.33
/USB PHY/FTDI_UART0_TX: R161.1 U20.32
/USB PHY/FTDI_UART1_RX: R164.1 U20.46
/USB PHY/FTDI_UART1_TX: R163.1 U20.42
/USB PHY/FTDI_VCORE: C234.2 C238.2 C241.2 U20.2 U20.31 U20.43
/USB PHY/FTDI_VPHY: C236.2 C239.2 FB5.2 U20.5
/USB PHY/FTDI_VPLL: C229.2 C232.2 FB6.2 U20.9
/USB PHY/FTDI_XI: C228.2 U20.3 Y2.1
/USB PHY/FTDI_XO: C235.2 U20.4 Y2.3
/USB PHY/I2C_EN: R187.1 U20.27
/USB PHY/LED_RX0: R151.2 U18.5
/USB PHY/LED_RX1: R153.2 U18.7
/USB PHY/LED_TX0: R150.2 U18.4
/USB PHY/LED_TX1: R152.2 U18.6
/USB PHY/SPI_EN: R181.1 U20.26
/USB PHY/USB_DBG_CONN_D+: J13.A6 J13.B6 U17.2 U17.9 U20.8
/USB PHY/USB_DBG_CONN_D-: J13.A7 J13.B7 U17.4 U17.7 U20.7
/USB PHY/USB_HOST_CONN_D+: J12.3 R155.1 U16.2 U16.9
/USB PHY/USB_HOST_CONN_D-: J12.2 R154.1 U16.1 U16.10
/USB PHY/USB_HOST_D+: R155.2 U19.21
/USB PHY/USB_HOST_D-: R154.2 U19.20
/USB PHY/USB_HOST_VBCOMP: C227.2 U19.22
/USB PHY/USB_HOST_VBUS: C219.2 C394.2 J12.1 U16.4 U16.7 U30.1
/USB PHY/USB_HOST_VBUS_EN: R342.2 R344.2 R345.1 U30.4
/USB PHY/USB_HOST_VBUS_FLG: R343.2 U30.3
/USB PHY/USB_HOST_XI: C220.2 U19.24 Y1.1
/USB PHY/USB_HOST_XO: C223.2 U19.25 Y1.3
/USB PHY/USB_USR_CC1: J14.A5 R361.1 U21.1 U21.10
/USB PHY/USB_USR_CC2: J14.B5 R362.1 U21.5 U21.6
/USB PHY/USB_USR_CONN_D+: J14.A6 J14.B6 R169.2 R171.1 R174.1 U21.2 U21.9
/USB PHY/USB_USR_CONN_D-: J14.A7 J14.B7 R170.2 R172.1 R173.1 U21.4 U21.7
/USB PHY/USB_USR_D+: R174.2 U25.10
/USB PHY/USB_USR_D-: R173.2 U25.9
/USB PHY/USB_USR_VBUS: C396.2 C397.2 J14.A4 J14.A9 J14.B4 J14.B9 R190.2 U43.1
/USB PHY/USB_USR_VPU: R171.2 R172.2 U25.15
/USB PHY/~{BDBUS3}: Q17.3 R166.1 R180.2
/USB_SPI.MISO: NT9.1 R185.2 U1.R21
/USB_SPI.MOSI: NT10.1 R183.2 U1.T21
/USB_SPI.SCK: NT11.1 R182.2 U1.T22
/USB_SPI.~{CS}: NT12.1 R184.2 U1.T23
/User GPIO + LED + button + DIP switch/CW_20PIN_HS1: J10.4 R142.2
/User GPIO + LED + button + DIP switch/CW_20PIN_HS2: J10.6 R143.2
/User GPIO + LED + button + DIP switch/CW_20PIN_IO1: J10.10 R144.2
/User GPIO + LED + button + DIP switch/CW_20PIN_IO2: J10.12 R145.2
/User GPIO + LED + button + DIP switch/CW_20PIN_IO3: J10.14 R146.2
/User GPIO + LED + button + DIP switch/CW_20PIN_IO4: J10.16 R147.2
/User GPIO + LED + button + DIP switch/CW_20PIN_MISO: J10.7 R135.1
/User GPIO + LED + button + DIP switch/CW_20PIN_MOSI: J10.9 R136.1
/User GPIO + LED + button + DIP switch/CW_20PIN_RST: J10.5 R134.1
/User GPIO + LED + button + DIP switch/CW_20PIN_TPDIC: J10.13 R138.1
/User GPIO + LED + button + DIP switch/CW_20PIN_TPDID: J10.15 R139.1
/User GPIO + LED + button + DIP switch/CW_20PIN_TSCK: J10.11 R137.1
/User GPIO + LED + button + DIP switch/FAN_PWM_CTRL_AON: Q12.1 R19.2 R105.2 R106.1
/User GPIO + LED + button + DIP switch/FAN_PWM_PIN: J7.4 J8.4 Q12.3 R111.1